# KiCad board PCB.kicad_pcb (continued)
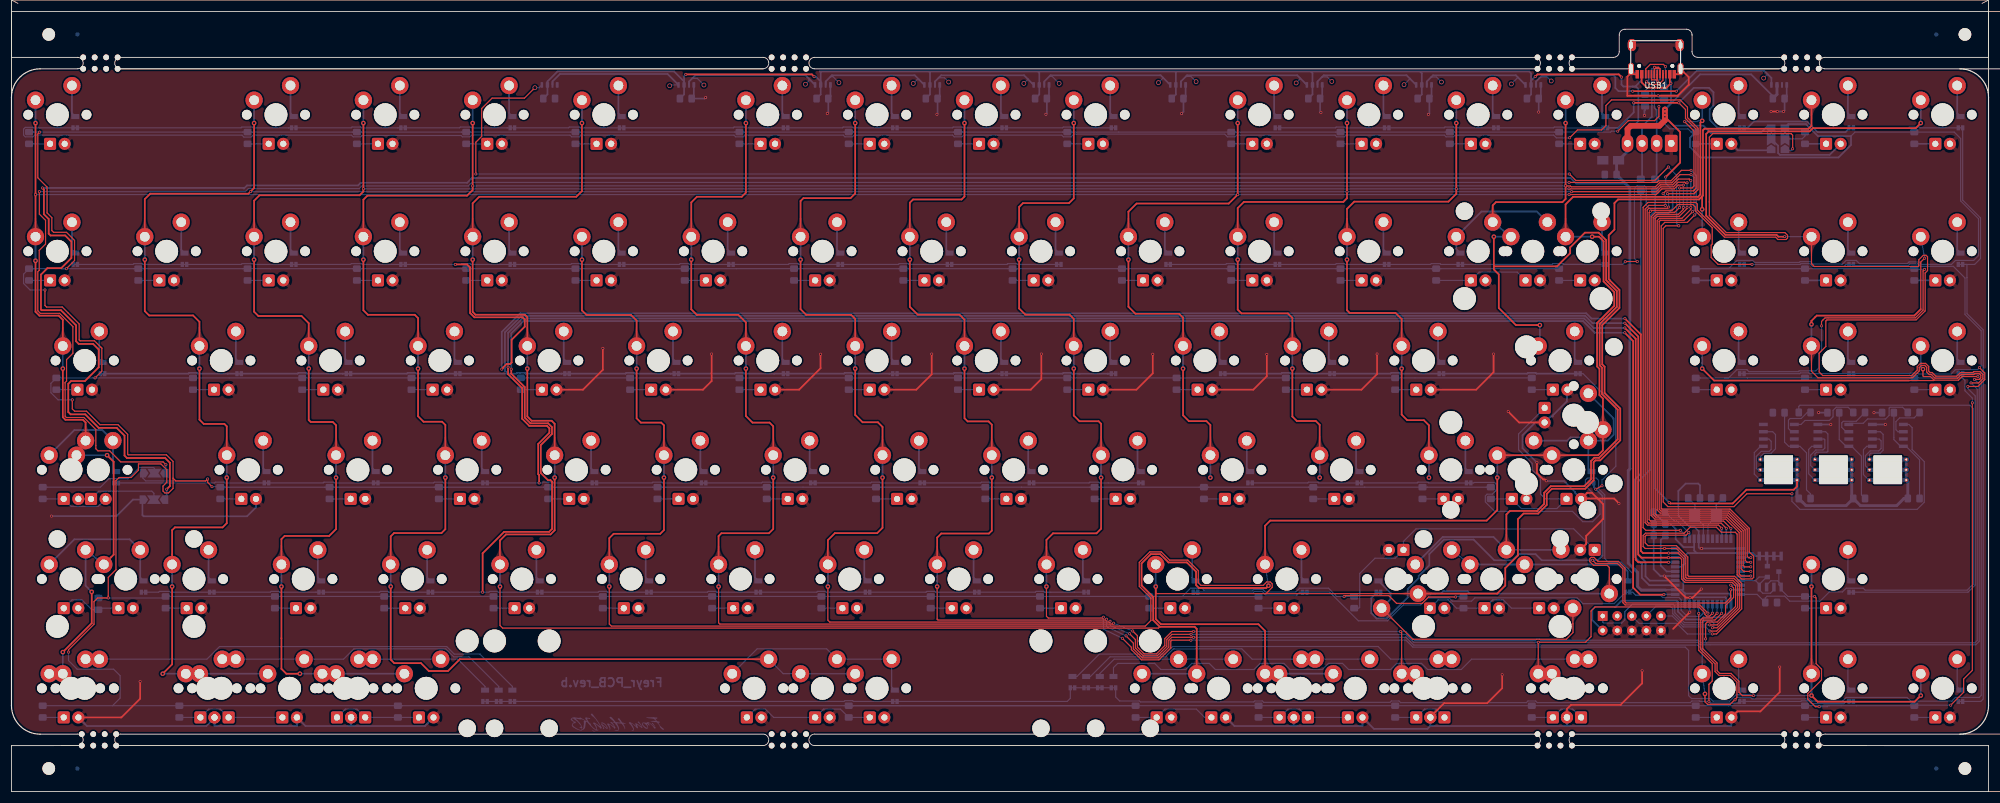
[diagram p0: board, top side]
## Routing (per net, layer and track width the routed paths; a pad name or vN(x,y) marks a point on that pad's centre or on a via; arc(x,y) is an arc through that point) (continued)
  Bottom w0.3: U1.21 298.9,45.9 v1(298.9,45.9)
/Row2: length 509.3
  Top w0.2: v1(288.85,41.58) 290.51,41.58 291.49,40.6 291.49,37.19 291.85,36.83 300.07,36.83 300.89,36 300.89,32.14 297.3,28.55 v1(296.48,28.55)
  Top w0.3: v1(85.46,73.64) 85.71,73.89 85.71,73.96 86.3,74.54 86.93,74.54 87.18,74.8 87.18,78.77 89.46,81.05 89.46,82.3 89.07,82.69 80.69,82.69 79.93,83.45 79.93,91.39 79.41,91.91 v1(77.36,91.91) ; v1(288.85,41.58) 284.39,41.58 284.01,41.96 284.01,79.69 v1(281.23,82.47)
  Bottom w0.2: D4.1 D4.1 21.2,91.91 21.33,92.04 22.79,92.04 22.93,91.91 28.15,91.91 28.15,91.91 D13.1 40.06,91.91 40.19,92.04 42.07,92.04 42.21,91.91 47.2,91.91 47.2,91.91 D22.1 59.11,91.91 59.24,92.04 61.07,92.04 61.2,91.91 66.25,91.91 66.25,91.91 D31.1 v1(77.36,91.91) 78.4,91.91 78.53,92.04 79.94,92.04 80.08,91.91 85.3,91.91 85.3,91.91 D40.1 97.48,91.91 97.61,92.04 99.09,92.04 99.23,91.91 106.24,91.91 106.24,91.91 D49.1 116.43,91.91 116.56,92.04 118.04,92.04 118.18,91.91 125.29,91.91 125.29,91.91 D58.1 135.42,91.91 135.56,92.04 137.09,92.04 137.23,91.91 143.58,91.91 143.58,91.91 D67.1 154.59,91.91 154.73,92.04 156.28,92.04 156.42,91.91 161.5,91.91 161.5,91.91 D76.1 D76.1 173.53,91.91 173.66,92.04 175.19,92.04 175.33,91.91 182.44,91.91 182.44,91.91 D85.1 ; D67.1 144.34,91.91 144.15,91.72 ; J4.1 277.36,29.56 277.55,29.37 280.66,29.37 281.21,29.93 281.21,31.36 282.54,32.69 289.57,32.69 289.92,32.33 289.92,31.15 291.63,29.45 294.8,29.45 295.1,29.75 296.31,29.75 296.73,29.32 296.73,28.8 v1(296.48,28.55) ; U1.10 288.85,41.58 v1(288.85,41.58)
  Bottom w0.3: v1(85.46,73.64) 85.46,80.16 88.69,83.38 274.49,83.38 275.41,82.47 v1(281.23,82.47)
/Row3: length 476
  Top w0.2: v1(296.02,29.05) 297.3,29.05 300.52,32.27 300.52,35.88 299.92,36.48 291.71,36.48 291.12,37.06 291.12,40.47 290.81,40.78 v1(288.83,40.78)
  Top w0.3: v1(288.83,40.78) 284.1,40.78 283.56,41.32 283.56,79.33 v1(281.22,81.67)
  Bottom w0.2: D59.1 D59.1 ; v1(288.83,40.78) 288.84,40.78 U1.9 ; D14.1 D14.1 ; D77.1 D77.1 ; D68.1 D68.1 ; D5.1 D5.1 ; D23.1 D23.1 ; v1(296.02,29.05) 291.53,29.05 289.57,31.01 289.57,31.89 289.13,32.34 286.7,32.34 J4.7 ; D41.1 D41.1 ; D32.1 D32.1 ; D50.1 D50.1
  Bottom w0.3: D5.1 30.82,72.86 30.96,72.99 32.31,72.99 32.45,72.86 37.68,72.86 37.68,72.86 D14.1 49.87,72.86 50.01,72.99 51.36,72.99 51.5,72.86 57.75,72.86 57.75,72.86 D23.1 68.92,72.86 69.06,72.99 70.41,72.99 70.55,72.86 75.78,72.86 75.78,72.86 D32.1 86.5,72.86 ; 86.5,72.86 87.97,72.86 88.11,72.99 88.66,72.99 88.66,73 89.46,73 89.6,72.86 95.85,72.86 95.85,72.86 D41.1 107.02,72.86 107.16,72.99 108.51,72.99 108.65,72.86 114.9,72.86 114.9,72.86 D50.1 126.07,72.86 126.21,72.99 127.56,72.99 127.7,72.86 132.93,72.86 132.93,72.86 D59.1 145.12,72.86 145.26,72.99 146.61,72.99 146.75,72.86 153,72.86 153,72.86 D68.1 164.17,72.86 164.31,72.99 165.66,72.99 165.8,72.86 172.05,72.86 172.05,72.86 D77.1 183.22,72.86 183.36,72.99 184.71,72.99 184.86,72.85 191.09,72.85 191.1,72.86 D86.1 D86.1 ; 86.5,72.86 86.01,73.35 86.01,80.07 88.88,82.93 274.31,82.93 275.57,81.67 v1(281.22,81.67)
/Row4: length 464.6
  Top w0.3: v1(288.83,39.98) 283.56,39.98 283.11,40.43 283.11,78.94 v1(281.22,80.84) ; v1(86.56,73.99) 86.56,72.77 89.01,70.32 89.01,65 90.27,63.75 93.35,63.75 93.76,63.33 93.76,62.54 91.81,60.59 91.81,55.35 91.97,55.19 v1(91.97,53.81)
  Bottom w0.2: D42.1 101.48,53.81 101.48,53.81 94.37,53.81 94.23,53.94 92.64,53.94 92.5,53.81 v1(91.97,53.81) D33.1 ; D42.1 111.67,53.81 111.81,53.94 113.35,53.94 113.49,53.81 118.64,53.81 118.64,53.81 D51.1 ; D42.1 D42.1 ; D69.1 158.63,53.81 158.63,53.81 151.52,53.81 151.38,53.94 149.9,53.94 149.77,53.81 D60.1 ; D69.1 D69.1 ; D69.1 168.94,53.81 169.07,53.95 170.43,53.95 170.57,53.81 177.68,53.81 177.68,53.81 D78.1 ; D87.1 D87.1 196.73,53.81 196.73,53.81 189.63,53.81 189.49,53.94 187.97,53.94 187.84,53.81 D78.1 ; D78.1 D78.1 ; D51.1 D51.1 ; D51.1 130.75,53.81 130.89,53.94 132.33,53.94 132.47,53.81 139.58,53.81 139.58,53.81 D60.1 ; D24.1 63.38,53.81 63.38,53.81 56.27,53.81 56.13,53.94 54.48,53.94 54.34,53.81 D15.1 ; D24.1 73.57,53.81 73.71,53.94 75.18,53.94 75.32,53.81 82.43,53.81 82.43,53.81 D33.1 ; D24.1 D24.1 ; v1(288.83,39.98) 288.83,39.98 U1.8 ; D15.1 42.44,53.81 42.44,53.81 37.22,53.81 37.08,53.94 35.54,53.94 35.4,53.81 D6.1 D6.1 ; D15.1 D15.1 ; D60.1 139.24,53.81 ; D60.1 D60.1 ; D33.1 D33.1
  Bottom w0.3: v1(86.56,73.99) 86.56,79.98 89.06,82.48 274.12,82.48 275.77,80.84 v1(281.22,80.84)
/Row5: length 481.5
  Top w0.3: v1(288.03,34.33) 283.89,34.33 282.66,35.56 282.66,78.54 v1(281.21,79.99) ; v1(87.11,73.65) 87.11,72.86 89.46,70.51 89.46,65.21 90.47,64.2 93.55,64.2 94.21,63.54 94.21,62.35 92.26,60.4 92.26,55.55 93.51,54.29 93.96,54.29 94.23,54.02 94.23,45.79 93.71,45.28 85.86,45.28 82.12,41.54 v1(82.12,34.76)
  Bottom w0.2: D79.1 D79.1 ; D79.1 166.27,34.76 166.26,34.76 161.07,34.76 160.93,34.89 159.55,34.89 159.41,34.76 D70.1 ; D79.1 178.46,34.76 178.6,34.89 179.95,34.89 180.09,34.76 185.31,34.76 185.32,34.76 D88.1 D88.1 ; D43.1 D43.1 ; D43.1 102.26,34.76 102.4,34.89 103.75,34.89 103.89,34.76 111,34.76 111,34.76 D52.1 ; D43.1 90.07,34.76 90.06,34.76 84.84,34.76 84.7,34.89 83.35,34.89 83.21,34.76 v1(82.12,34.76) D34.1 ; D16.1 34.8,34.76 34.8,34.76 27.69,34.76 27.55,34.89 25.79,34.89 25.65,34.76 D7.1 D7.1 ; D16.1 D16.1 ; D16.1 45.11,34.76 45.25,34.89 46.6,34.89 46.74,34.76 53.09,34.76 53.09,34.76 D25.1 D25.1 64.16,34.76 64.3,34.89 65.65,34.89 65.79,34.76 72.9,34.76 72.9,34.76 D34.1 ; D52.1 121.31,34.76 121.45,34.89 122.8,34.89 122.94,34.76 130.05,34.76 130.05,34.76 D61.1 ; D52.1 D52.1 ; D70.1 147.22,34.76 147.21,34.76 141.99,34.76 141.85,34.89 140.5,34.89 140.36,34.76 D61.1 ; D70.1 D70.1 ; D34.1 D34.1 ; D61.1 D61.1
  Bottom w0.3: v1(87.11,73.65) 87.11,79.9 89.25,82.03 273.93,82.03 275.98,79.99 v1(281.21,79.99) ; v1(288.03,34.33) 288.08,34.38 U1.1
/Row6: length 263.6
  Top w0.2: 296.04,18.85 295.91,18.71 ; 296.04,18.85 295.87,18.68 v1(295.87,15.71) ; 296.04,18.85 296.45,19.26 296.45,22.26 294.1,24.62 v1(294.1,31.05)
  Bottom w0.2: D26.1 D8.1 88.19,15.71 88.19,15.71 145.12,15.71 145.26,15.84 146.61,15.84 146.75,15.71 151.98,15.71 151.98,15.71 D35.1 184.01,15.71 184.56,16.26 D62.1 D44.1 ; D44.1 D71.1 192.47,16.48 193.15,15.79 196.6,15.79 196.77,15.62 216.55,15.62 216.72,15.79 218.03,15.79 218.28,15.55 240.28,15.55 240.53,15.79 241.84,15.79 242.14,15.5 264.05,15.5 264.34,15.79 265.66,15.79 265.95,15.5 292.62,15.5 292.92,15.79 294.23,15.79 294.32,15.71 v1(295.87,15.71) 296.18,15.4 300.94,15.4 D80.1 D80.1 311.88,15.71 311.98,15.81 313.27,15.81 313.76,15.32 319.4,15.32 319.79,15.71 D89.1 D89.1 ; U1.41 v1(294.1,31.05)
/Row7: length 347.1
  Top w0.2: v1(287.88,104.24) 288.38,104.74 293.19,104.74 ; 293.19,104.74 293.38,104.93 ; 293.19,104.74 293.38,104.93 ; 293.38,104.93 293.62,105.17 293.62,115.52 291.79,117.35 291.79,118.92 v1(290.62,120.09) ; v1(288.27,102.21) 285.41,102.21 284.76,101.56 284.76,46.87 285.18,46.45 297.55,46.45 v1(298.1,45.91)
  Top w0.3: v1(282.77,120.09) 282.77,120.09 v1(290.62,120.09)
  Bottom w0.2: 343.69,74.24 343.69,73.37 343.18,72.86 D72.1 D72.1 ; 343.69,74.24 343.69,80.5 340.86,83.33 340.86,89.62 340.85,89.63 340.85,91.88 340.82,91.91 ; 343.69,74.24 343.69,16.14 343.26,15.71 D90.1 D90.1 ; D45.1 D45.1 330.63,115.72 330.77,115.86 332.53,115.86 332.67,115.72 339.6,115.72 339.6,115.72 D54.1 340.1,103.12 343.21,100.01 343.21,92.93 342.19,91.91 340.82,91.91 ; 340.82,91.91 D63.1 D63.1 ; D27.1 277.69,115.72 277.68,115.71 270.59,115.71 270.44,115.86 268.92,115.86 268.79,115.72 D18.1 258.64,115.72 258.64,115.72 251.53,115.72 251.39,115.86 249.85,115.86 249.72,115.72 D9.1 239.59,115.72 239.59,115.72 232.52,115.72 232.38,115.86 230.91,115.86 230.77,115.72 D103.1 D103.1 ; v1(288.27,102.21) 288.27,103.85 v1(287.88,104.24)
  Bottom w0.3: U1.20 298.1,45.9 v1(298.1,45.91) ; D36.1 301.4,115.72 ; D36.1 302.6,115.72 303.71,116.83 312.97,116.83 314.82,114.98 319.69,114.98 320.29,115.58 D45.1 ; D36.1 D36.1 299.62,115.72 299.61,115.72 297.41,115.72 296.02,117.11 296.02,118.97 296.67,119.62 296.67,121.92 295.9,122.69 293.23,122.69 v1(290.62,120.09) ; v1(282.77,120.09) 282.77,118.41 280.08,115.72 D27.1
/Row8: length 373.2
  Top w0.2: v1(283.39,92.41) 281.33,92.41 v1(281.29,92.37) ; v1(303.39,91.91) 297.48,91.91 296.27,93.12 296.27,95.28 296.45,95.46 296.45,98.29 293.5,101.25 293.5,101.92 293.07,102.35 290.47,102.35 289.46,101.34 285.84,101.34 v1(285.68,101.18) 285.46,100.96 285.46,47.41 285.72,47.15 298.44,47.15 v1(299.7,45.88) ; v1(343.03,73.91) 343.96,72.98 343.96,71.83 342.76,70.63 v1(341,70.63)
  Bottom w0.2: v1(303.39,91.91) 303.38,91.91 D46.1 ; D64.1 330.87,72.86 330.96,72.94 332.33,72.94 332.47,72.8 338.09,72.8 338.84,73.55 342.67,73.55 v1(343.03,73.91) 343.33,74.21 343.33,80.35 340.51,83.18 340.51,89.54 338.48,91.57 332.75,91.57 332.33,91.99 330.91,91.99 330.61,91.69 321.27,91.69 D55.1 D55.1 319.79,91.91 319.45,91.57 313.92,91.57 313.45,92.04 311.92,92.04 311.79,91.91 D46.1 ; D64.1 320.55,72.86 320.55,72.86 313.44,72.86 313.3,72.99 311.82,72.99 311.69,72.86 D73.1 D73.1 ; D64.1 D64.1 ; D93.1 D93.1 270.51,91.91 270.44,91.97 270.44,92.04 ; D93.1 277.69,91.91 277.69,91.91 270.58,91.91 270.44,92.04 ; D93.1 280.83,91.91 v1(281.29,92.37) ; v1(283.39,92.41) 282.89,92.91 282.89,105.15 283.34,105.6 284.66,105.6 284.95,105.31 284.95,102.27 285.68,101.54 v1(285.68,101.18) ; 270.44,92.04 268.71,92.04 268.57,91.91 253.42,91.91 253.42,91.91 D37.1 249.14,91.91 249.01,92.04 247.48,92.04 247.35,91.91 D28.1 239.59,91.91 239.59,91.91 232.48,91.91 232.34,92.04 230.92,92.04 230.79,91.91 D19.1 220.54,91.91 220.54,91.91 213.43,91.91 213.29,92.04 211.8,92.04 211.66,91.91 D10.1 D10.1 ; v1(341,70.63) 341,70.28 342.29,68.99 342.29,36.02 341.03,34.76 D81.1 D81.1
  Bottom w0.3: U1.22 299.7,45.88 v1(299.7,45.88)
/Row9: length 189.8
  Top w0.2: v1(275.6,40.33) 276.14,39.78 279.93,39.78 280.88,38.83 280.88,32.93 281.28,32.53 294.27,32.53 v1(295.7,31.1) ; v1(276.15,52.72) v1(277.24,53.3)
  Bottom w0.2: D38.1 D38.1 273.93,72.86 279.65,67.14 279.65,56.72 277.24,54.31 v1(277.24,53.3) ; D29.1 D29.1 ; D20.1 D20.1 ; 276.16,52.72 v1(276.15,52.72) ; U1.39 295.7,31.1 v1(295.7,31.1) ; D47.1 D47.1 ; D11.1 D11.1
  Bottom w0.3: D11.1 221.32,72.86 221.46,72.99 222.81,72.99 222.95,72.86 229.96,72.86 229.97,72.86 D20.1 240.37,72.86 240.51,72.99 241.94,72.99 242.07,72.86 249.01,72.86 249.02,72.86 D29.1 264.19,72.86 264.32,72.99 265.68,72.99 265.82,72.86 272.83,72.86 272.83,72.86 D38.1 ; D47.1 275.81,53.06 277.32,51.55 277.32,41.14 276.51,40.33 v1(275.6,40.33) 266.72,40.33 265.65,41.39 262.7,41.39 261.64,40.33 258.46,40.33 254.86,43.93 249.66,43.93 247.13,41.4 247.13,39.44 245.29,37.6 245.29,37.21 243.37,35.29 243.37,33.86 239.69,30.17 237.96,30.17 237.02,31.11 237.02,33.75 237.89,34.61 D91.1 D91.1
/Row10: length 205.1
  Bottom w0.2: D83.1 D83.1 216.51,34.76 216.65,34.89 217.99,34.89 218.63,34.25 224.03,34.25 224.54,34.76 D92.1 D92.1 229.77,34.76 234.76,29.77 239.85,29.77 242.62,32.53 245.62,32.53 246.86,33.77 250.57,33.77 251.15,33.19 254.5,33.19 255.08,33.77 272.9,33.77 273.91,32.76 279.35,32.76 281.32,34.72 D82.1 D82.1 ; D65.1 D65.1 ; D65.1 245.03,53.81 245.17,53.94 246.9,53.94 247.04,53.81 253.88,53.81 253.88,53.81 D56.1 ; D65.1 234.83,53.81 234.83,53.81 227.88,53.81 227.74,53.94 226.08,53.94 225.95,53.81 D74.1 D74.1 ; 294.35,30.55 294.9,31.1 ; 294.35,30.55 292.08,30.55 291.02,31.61 291.02,33.46 290.66,33.83 287.79,33.83 287.38,34.23 283.11,34.23 282.58,34.76 D82.1 ; 294.35,30.55 294.9,31.1 ; 294.9,31.1 294.9,31.1 U1.40 ; D82.1 282.08,34.9 282.65,35.47 282.65,37.98 280.64,39.99 278.35,39.99 277.72,40.62 277.72,51.72 276.64,52.8 276.64,54.28 276.27,54.65 274.69,54.65 274.34,54.29 274.34,53.32 276.89,50.77 276.89,48.34 275.6,47.05 273.89,47.05 272.1,48.85 258.55,48.85 256.91,50.49 256.91,51.55 257.2,51.84 258.11,51.84 258.81,52.54 258.81,53.6 258.51,53.89 254.96,53.89 254.88,53.81 D56.1 ; D56.1 D56.1
/Scroll_LED: length 141.2
  Top w0.2: v1(290.89,45.55) 284.87,45.55 284.41,46.01 284.41,101.87 285.25,102.71 293.57,102.71 293.86,102.42 293.86,101.39 298.58,96.66 307.5,96.66 307.9,96.25 309.32,96.25 309.58,96.51 309.58,96.99 309.12,97.46 298.92,97.46 295.94,100.43 295.94,102.79 295.94,102.79 295.94,114.1 296.56,114.71 310.2,114.71 310.47,114.45 v1(310.47,112.06)
  Bottom w0.2: v1(290.89,45.55) 291.7,44.74 U1.12 ; v1(310.47,112.06) 310.21,111.81 JP4.1
Net-(C4-Pad1): length 8.2
  Bottom w0.2: U1.16 294.9,46.5 293.44,47.96 Y1.1 293.44,49.98 C4.1
Net-(C5-Pad1): length 8.2
  Bottom w0.2: U1.17 295.7,46.52 297.14,47.96 Y1.2 297.14,49.98 C5.1
Net-(C6-Pad1): length 8.6
  Bottom w0.3: C6.1 287.48,43.87 287.48,39.4 288.5,38.38 U1.6
Net-(C17-Pad1): length 18
  Bottom w0.2: C17.1 309.06,60.92 309.79,60.19 U2.8 311.74,60.19 312.89,59.05 312.89,52.6 313.59,51.9 R106.1
Net-(C18-Pad1): length 17.4
  Bottom w0.2: C18.1 318.59,61.39 319.79,60.19 U3.8 320.74,60.19 322.46,58.47 322.46,51.72 R107.1
Net-(C19-Pad1): length 17.4
  Bottom w0.2: R108.1 332.59,57.84 330.24,60.19 U4.8 329.29,60.19 328.11,61.37 C19.1
Net-(D2-Pad2): length 5.6
  Bottom w0.3: D2.2 10.54,118.26 SW1.2
Net-(D3-Pad1): length 3.7
  Bottom w0.2: D3.1 R7.1
Net-(D4-Pad2): length 5.6
  Bottom w0.3: D4.2 10.54,94.45 SW2.2
Net-(D5-Pad2): length 5.6
  Bottom w0.3: SW3.2 15.3,75.4 D5.2
Net-(D6-Pad2): length 19.3
  Bottom w0.3: SW5.1 10.96,63.03 15.83,63.03 SW4.2 17.68,56.35 D6.2
Net-(D7-Pad2): length 24.1
  Bottom w0.3: SW7.1 10.96,43.98 20.6,43.98 SW6.2 22.45,37.3 D7.2
Net-(D8-Pad2): length 78.8
  Bottom w0.2: SW105.2 SW8.2 34.07,23.08 36.27,25.28 75.86,25.28 77.19,23.96 81.67,23.96 87.31,18.32 D8.2
Net-(D9-Pad2): length 5.6
  Bottom w0.3: D9.2 239.14,118.26 SW9.2
Net-(D10-Pad2): length 5.6
  Bottom w0.3: SW11.2 201.04,94.45 D10.2
Net-(D11-Pad2): length 5.6
  Bottom w0.3: D11.2 210.56,75.4 SW12.2
Net-(D12-Pad2): length 5.6
  Bottom w0.3: SW10.2 48.64,118.26 D12.2
Net-(D13-Pad2): length 5.6
  Bottom w0.3: SW14.2 29.59,94.45 D13.2
Net-(D14-Pad2): length 5.6
  Bottom w0.3: D14.2 39.11,75.4 SW15.2
Net-(D15-Pad2): length 5.6
  Bottom w0.3: D15.2 43.88,56.35 SW16.2
Net-(D16-Pad2): length 5.6
  Bottom w0.3: SW17.2 34.35,37.3 D16.2
Net-(D17-Pad2): length 52.3
  Bottom w0.2: SW107.2 SW18.2 SW106.2 57.88,23.08 59.68,24.88 75.7,24.88 77.1,23.48 79.77,23.48 84.93,18.32 D17.2
Net-(D18-Pad2): length 5.6
  Bottom w0.3: D18.2 258.19,118.26 SW20.2
Net-(D19-Pad2): length 5.6
  Bottom w0.3: D19.2 220.09,94.45 SW21.2
Net-(D20-Pad2): length 5.6
  Bottom w0.3: D20.2 229.61,75.4 229.61,80.23
Net-(D21-Pad2): length 5.6
  Bottom w0.3: D21.2 67.69,118.26 SW19.2
Net-(D22-Pad2): length 5.6
  Bottom w0.3: D22.2 48.64,94.45 SW24.2
Net-(D23-Pad2): length 5.6
  Bottom w0.3: D23.2 58.16,75.4 SW25.2
Net-(D24-Pad2): length 5.6
  Bottom w0.3: SW26.2 62.93,56.35 D24.2
Net-(D25-Pad2): length 5.6
  Bottom w0.3: D25.2 53.4,37.3 SW27.2
Net-(D26-Pad2): length 24.6
  Bottom w0.2: D26.2 82.55,18.32 77.79,23.08 SW108.2 SW109.2 SW29.2
Net-(D27-Pad2): length 5.6
  Bottom w0.3: D27.2 277.24,118.26 SW30.2
Net-(D28-Pad2): length 5.6
  Bottom w0.3: SW31.2 239.14,94.45 D28.2
Net-(D29-Pad2): length 5.6
  Bottom w0.3: D29.2 248.66,75.4 SW32.2
Net-(D30-Pad2): length 5.6
  Bottom w0.3: D30.2 86.74,118.26 SW28.2
Net-(D31-Pad2): length 5.6
  Bottom w0.3: D31.2 67.69,94.45 SW34.2
Net-(D32-Pad2): length 5.6
  Bottom w0.3: SW35.2 77.21,75.4 D32.2
Net-(D33-Pad2): length 5.6
  Bottom w0.3: SW36.2 81.98,56.35 D33.2
Net-(D34-Pad2): length 5.6
  Bottom w0.3: D34.2 72.45,37.3 SW38.2
Net-(D35-Pad2): length 36
  Bottom w0.2: SW110.1 129.97,24.88 142.09,24.88 SW39.2 SW111.2 153.41,18.25 D35.2
Net-(D36-Pad2): length 5.6
  Bottom w0.3: D36.2 301.05,118.26 SW40.2
Net-(D37-Pad2): length 21.6
  Bottom w0.3: D37.2 251.84,94.58 SW74.1 256.23,101.13 265.86,101.13 267.71,99.28
Net-(D38-Pad2): length 5.6
  Bottom w0.3: D38.2 272.48,75.4 SW42.2
Net-(D39-Pad2): length 5.6
  Bottom w0.3: SW37.2 105.79,118.26 D39.2
Net-(D40-Pad2): length 5.6
  Bottom w0.3: SW44.2 86.74,94.45 D40.2
Net-(D41-Pad2): length 5.6
  Bottom w0.3: SW45.2 96.26,75.4 D41.2
Net-(D42-Pad2): length 5.6
  Bottom w0.3: SW47.2 101.03,56.35 D42.2
Net-(D43-Pad2): length 5.6
  Bottom w0.3: D43.2 91.5,37.3 SW48.2
Net-(D44-Pad2): length 24.8
  Bottom w0.2: SW112.2 SW49.2 192.21,23.08 189.7,20.57 D44.2
Net-(D45-Pad2): length 5.6
  Bottom w0.3: D45.2 320.1,118.26 SW50.2
Net-(D46-Pad2): length 5.6
  Bottom w0.3: SW51.2 301.05,94.45 D46.2
Net-(D47-Pad2): length 29.5
  Bottom w0.3: SW119.2 278.23,61.18 279.25,62.2 279.25,65.04 SW93.1 ; SW119.2 274.29,61.75 271.74,61.75 271.18,61.18 SW52.2 ; SW119.2 274.86,56.35 D47.2
Net-(D49-Pad2): length 5.6
  Bottom w0.3: D49.2 105.79,94.45 SW54.2
Net-(D50-Pad2): length 5.6
  Bottom w0.3: SW56.2 115.31,75.4 D50.2
Net-(D51-Pad2): length 5.6
  Bottom w0.3: SW57.2 120.08,56.35 D51.2
Net-(D52-Pad2): length 5.6
  Bottom w0.3: SW58.2 110.55,37.3 D52.2
Net-(D53-Pad2): length 52.2
  Bottom w0.2: SW114.2 SW115.2 216.25,23.08 214.45,24.88 202.56,24.88 201.16,23.49 191.49,23.49 188.07,20.06 D53.2
Net-(D54-Pad2): length 5.6
  Bottom w0.3: SW60.2 339.15,118.26 D54.2
Net-(D55-Pad2): length 5.6
  Bottom w0.3: D55.2 320.1,94.45 SW61.2
Net-(D56-Pad2): length 5.6
  Bottom w0.3: SW62.2 253.43,56.35 D56.2
Net-(D57-Pad2): length 5.6
  Bottom w0.3: D57.2 134.36,118.26 134.36,123.09
Net-(D58-Pad2): length 5.6
  Bottom w0.3: SW65.2 124.84,94.45 D58.2
Net-(D59-Pad2): length 5.6
  Bottom w0.3: 134.36,80.23 134.36,75.4 D59.2
Net-(D60-Pad2): length 5.6
  Bottom w0.3: SW67.2 139.13,56.35 D60.2
Net-(D61-Pad2): length 5.6
  Bottom w0.3: SW68.2 129.6,37.3 D61.2
Net-(D62-Pad2): length 69.2
  Bottom w0.2: SW69.2 SW117.2 240.41,23.08 238.21,25.29 202.4,25.29 201.07,23.96 189.62,23.96 185.72,20.06 D62.2
Net-(D63-Pad2): length 5.6
  Bottom w0.3: SW70.2 339.15,94.45 D63.2
Net-(D64-Pad2): length 5.6
  Bottom w0.3: D64.2 320.1,75.4 SW71.2
Net-(D65-Pad2): length 5.6
  Bottom w0.3: D65.2 234.38,56.35 SW72.2
Net-(D66-Pad2): length 5.6
  Bottom w0.3: D66.2 153.41,118.26 SW64.2
Net-(D67-Pad2): length 5.6
  Bottom w0.3: D67.2 143.89,94.45 SW75.2
Net-(D68-Pad2): length 5.6
  Bottom w0.3: D68.2 153.41,75.4 SW76.2
Net-(D69-Pad2): length 5.6
  Bottom w0.3: D69.2 158.18,56.35 SW77.2
Net-(D70-Pad2): length 5.6
  Bottom w0.3: SW78.2 148.65,37.3 D70.2
Net-(D71-Pad2): length 91.7
  Bottom w0.2: SW79.2 SW118.2 254.5,23.08 252.7,21.28 246.84,21.28 245.78,22.34 241.45,22.34 240.39,21.28 233.06,21.28 232,22.34 229.54,22.34 228.48,21.28 222.86,21.28 221.8,22.34 217.64,22.34 216.58,21.28 209.84,21.28 208.78,22.34 205.73,22.34 204.67,21.28 200.33,21.28 199.27,22.34 192.81,22.34 192.08,21.61 D71.2
Net-(D72-Pad2): length 5.6
  Bottom w0.3: SW80.2 339.15,75.4 D72.2
Net-(D73-Pad2): length 5.6
  Bottom w0.3: D73.2 301.05,75.4 SW81.2
Net-(D74-Pad2): length 5.6
  Bottom w0.3: D74.2 215.33,56.35 SW83.2
Net-(D75-Pad2): length 5.6
  Bottom w0.3: D75.2 172.46,118.26 SW73.2
Net-(D76-Pad2): length 5.6
  Bottom w0.3: SW85.2 162.94,94.45 D76.2
Net-(D77-Pad2): length 5.6
  Bottom w0.3: D77.2 172.46,75.4 SW86.2
Net-(D78-Pad2): length 5.6
  Bottom w0.3: D78.2 177.23,56.35 SW87.2
Net-(D79-Pad2): length 5.6
  Bottom w0.3: D79.2 167.7,37.3 SW88.2
Net-(D80-Pad2): length 5.6
  Bottom w0.2: SW89.2 301.05,18.25 D80.2
Net-(D81-Pad2): length 5.6
  Bottom w0.2: D81.2 320.1,37.3 SW90.2
Net-(D82-Pad2): length 33.7
  Bottom w0.2: SW82.2 SW84.1
  Bottom w0.3: SW84.1 SW91.1 280.47,39.59 281.7,38.36 D82.2
Net-(D83-Pad2): length 5.6
  Bottom w0.3: SW92.2 205.8,37.3 D83.2
Net-(D84-Pad2): length 5.6
  Bottom w0.3: SW46.2 191.51,118.26 D84.2
Net-(D85-Pad2): length 5.6
  Bottom w0.3: SW94.2 181.99,94.45 D85.2
Net-(D86-Pad2): length 5.6
  Bottom w0.3: SW95.2 191.51,75.4 D86.2
Net-(D87-Pad2): length 5.6
  Bottom w0.3: D87.2 196.28,56.35 SW96.2
Net-(D88-Pad2): length 5.6
  Bottom w0.3: SW97.2 186.75,37.3 D88.2
Net-(D89-Pad2): length 5.6
  Bottom w0.2: SW98.2 320.1,18.25 D89.2
Net-(D90-Pad2): length 5.6
  Bottom w0.2: D90.2 339.15,18.25 SW99.2
Net-(D91-Pad2): length 46.6
  Top w0.2: SW100.2 272.16,29.24 272.18,29.21 272.18,27.72 271.01,26.55 244.24,26.55 SW120.2
  Bottom w0.3: SW120.2 240.38,33.53 240.38,34.62 D91.2
Net-(D92-Pad2): length 5.6
  Bottom w0.3: D92.2 224.85,37.3 SW101.2
Net-(D93-Pad2): length 5.6
  Bottom w0.3: D93.2 277.24,94.45 SW63.2
Net-(D94-Pad1): length 3.7
  Bottom w0.2: R8.1 D94.1
Net-(D95-Pad1): length 3.7
  Bottom w0.2: D95.1 R9.1
Net-(D96-Pad1): length 12
  Bottom w0.2: D97.2 15.11,49.72 10.41,49.72 D96.1 R10.1
Net-(D96-Pad2): length 15
  Bottom w0.2: D96.2 D97.1 15.22,52.37 24.47,52.37 24.83,52.01 JP1.2
Net-(D98-Pad1): length 11
  Bottom w0.2: D99.1 15.42,31.97 R11.1 14,31.69 12.27,33.42 10.56,33.42 D98.1
Net-(D100-Pad1): length 3.7
  Bottom w0.2: D100.1 R12.1
Net-(D102-Pad1): length 3.7
  Bottom w0.2: D102.1 R13.1
Net-(D103-Pad2): length 5.6
  Bottom w0.3: D103.2 220.09,118.26 SW124.2
Net-(D105-Pad1): length 3.7
  Bottom w0.2: R14.1 D105.1
Net-(D106-Pad1): length 3.7
  Bottom w0.2: D106.1 R15.1
Net-(D107-Pad1): length 3.7
  Bottom w0.2: D107.1 R16.1
Net-(D108-Pad1): length 3.7
  Bottom w0.2: D108.1 R17.1
Net-(D110-Pad1): length 3.7
  Bottom w0.2: D110.1 R18.1
Net-(D111-Pad1): length 3.7
  Bottom w0.2: D111.1 R19.1
Net-(D112-Pad1): length 3.7
  Bottom w0.2: D112.1 R20.1
Net-(D113-Pad1): length 3.7
  Bottom w0.2: D113.1 R21.1
Net-(D114-Pad1): length 19.2
  Bottom w0.2: R22.1 D114.1 34.37,14.37 36.39,14.37 D115.2 D116.1
Net-(D117-Pad1): length 3.7
  Bottom w0.2: R23.1 D117.1
Net-(D118-Pad1): length 3.7
  Bottom w0.2: D118.1 R24.1
Net-(D119-Pad1): length 3.7
  Bottom w0.2: D119.1 R25.1
Net-(D120-Pad1): length 3.7
  Bottom w0.2: D120.1 R26.1
Net-(D121-Pad1): length 3.7
  Bottom w0.2: D121.1 R27.1
Net-(D123-Pad1): length 3.7
  Bottom w0.2: D123.1 R28.1
Net-(D124-Pad1): length 3.7
  Bottom w0.2: D124.1 R29.1
Net-(D125-Pad1): length 3.7
  Bottom w0.2: D125.1 R30.1
Net-(D126-Pad1): length 3.7
  Bottom w0.2: D126.1 R31.1
Net-(D127-Pad1): length 15.5
  Bottom w0.2: D129.1 R32.1 D128.2 60.21,14.37 58.19,14.37 D127.1
Net-(D130-Pad1): length 3.7
  Bottom w0.2: D130.1 R33.1
Net-(D132-Pad1): length 3.7
  Bottom w0.2: D132.1 R34.1
Net-(D133-Pad1): length 3.7
  Bottom w0.2: D133.1 R35.1
Net-(D134-Pad1): length 3.7
  Bottom w0.2: D134.1 R36.1
Net-(D135-Pad1): length 3.7
  Bottom w0.2: D135.1 R37.1
Net-(D137-Pad1): length 3.7
  Bottom w0.2: D137.1 R38.1
Net-(D138-Pad1): length 3.7
  Bottom w0.2: D138.1 R39.1
Net-(D139-Pad1): length 3.7
  Bottom w0.2: D139.1 R40.1
Net-(D140-Pad1): length 3.7
  Bottom w0.2: D140.1 R41.1
Net-(D141-Pad1): length 23.8
  Bottom w0.2: D141.1 129.62,14.37 131.41,14.37 132.86,12.92 D142.1 141.53,14.37 144.49,14.37 R42.1 D143.1
Net-(D144-Pad1): length 3.7
  Bottom w0.2: D144.1 R43.1
Net-(D146-Pad1): length 16.8
  Bottom w0.2: R44.1 D146.1 255.83,90.57 262.45,90.57 D147.1
Net-(D148-Pad1): length 3.7
  Bottom w0.2: D148.1 R45.1
Net-(D149-Pad1): length 23.5
  Bottom w0.2: D150.1 R46.1 251.88,31.97 250.43,33.42 248.69,33.42 D149.1 ; D150.1 258.21,33.42 ; D150.1 258.21,33.42 ; D151.1 261.46,31.97 260.01,33.42 258.21,33.42
Net-(D152-Pad1): length 3.7
  Bottom w0.2: D152.1 R47.1
Net-(D154-Pad1): length 3.7
  Bottom w0.2: D154.1 R48.1
Net-(D155-Pad1): length 3.7
  Bottom w0.2: D155.1 R49.1
Net-(D156-Pad1): length 3.7
  Bottom w0.2: D156.1 R50.1
Net-(D157-Pad1): length 3.7
  Bottom w0.2: D157.1 R51.1
Net-(D158-Pad1): length 14.4
  Bottom w0.2: R52.1 D158.1 201.06,14.37 206.54,14.37 207.99,12.92 D160.1
Net-(D161-Pad1): length 3.7
  Bottom w0.3: D161.1 R53.1
Net-(D162-Pad1): length 3.7
  Bottom w0.2: D162.1 R54.1
Net-(D163-Pad1): length 38
  Bottom w0.2: D165.1 262.7,62.35 262.7,59.59 265.09,57.2 265.09,56.07 266.52,54.64 266.52,51.87 267.37,51.02 D164.1 269.37,49.34 263.2,49.34 D163.1 R55.1
Net-(D166-Pad1): length 3.7
  Bottom w0.2: D166.1 R56.1
Net-(D168-Pad1): length 3.7
  Bottom w0.2: D168.1 R58.1
Net-(D169-Pad1): length 3.7
  Bottom w0.2: 111.5,70.07 R59.1
Net-(D170-Pad1): length 3.7
  Bottom w0.2: R60.1 D170.1
Net-(D171-Pad1): length 3.7
  Bottom w0.2: D171.1 R61.1
Net-(D172-Pad1): length 17.4
  Bottom w0.2: D174.1 225.65,12.92 D173.2 224.51,14.37 222.49,14.37 D172.1 R62.1
Net-(D176-Pad1): length 3.7
  Bottom w0.3: D176.1 R63.1
Net-(D176-Pad2): length 14.8
  Bottom w0.3: JP3.2 307.92,112.61 307.92,111.33 308.25,111.01 316.91,111.01 D176.2
Net-(D177-Pad1): length 3.7
  Bottom w0.3: D177.1 R64.1
Net-(D178-Pad1): length 54.4
  Bottom w0.2: D178.1 272.29,45.81 244.82,45.81 242.63,43.62 D214.1 241.18,40.68 237.67,40.68 235,38.02 235,34.21 ; R65.1 234.84,31.97 235,32.13 235,34.21 ; 235,34.21 235,35.15
Net-(D179-Pad1): length 3.7
  Bottom w0.2: D179.1 R66.1
